# Altium PCB v2.PcbDoc
Units mm, origin at the board's own origin, x right, y up, seen from the top; angles counter-clockwise.
Board outline 166.23 x 128 mm, 2 copper layers (Top Layer, Bottom Layer); 76 components, 173 nets, 304 pads, 78 vias.
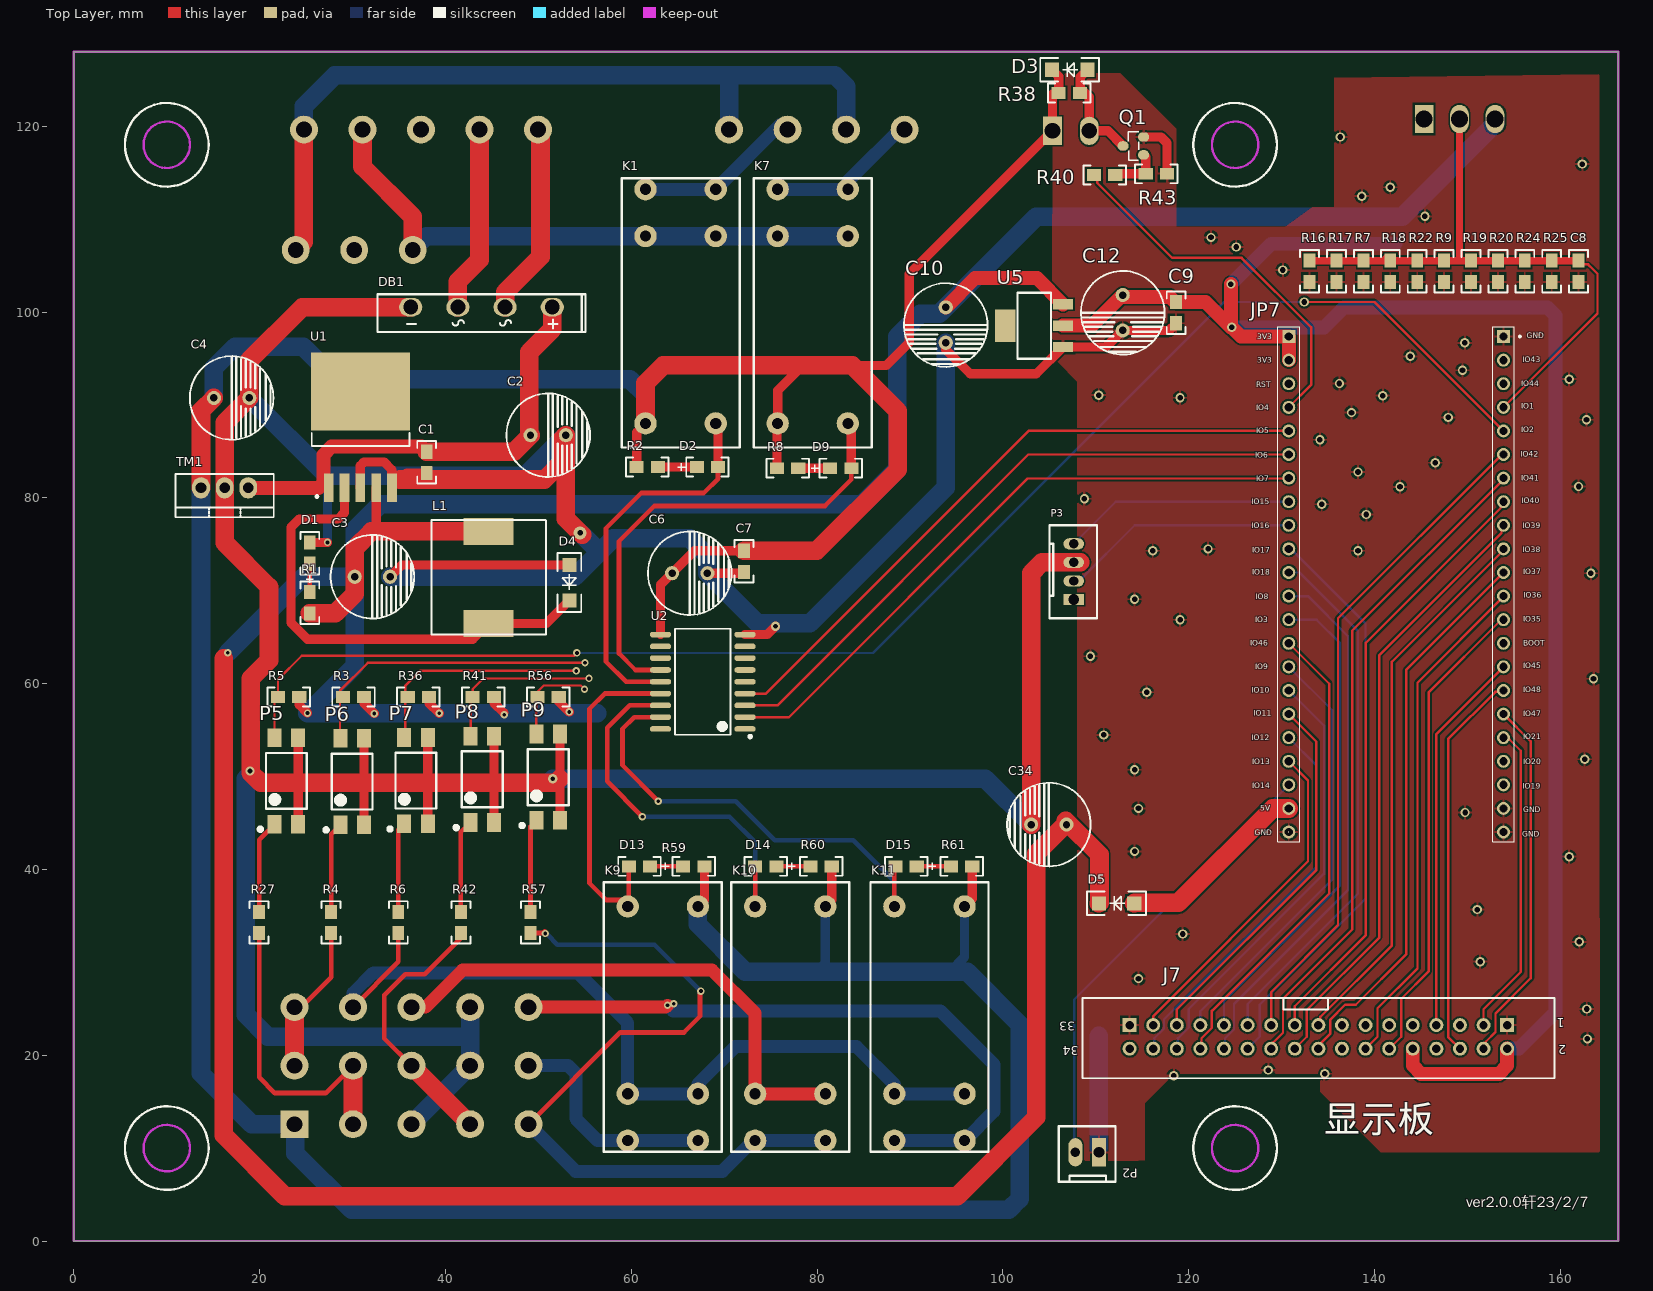
[diagram p0: Top Layer view]
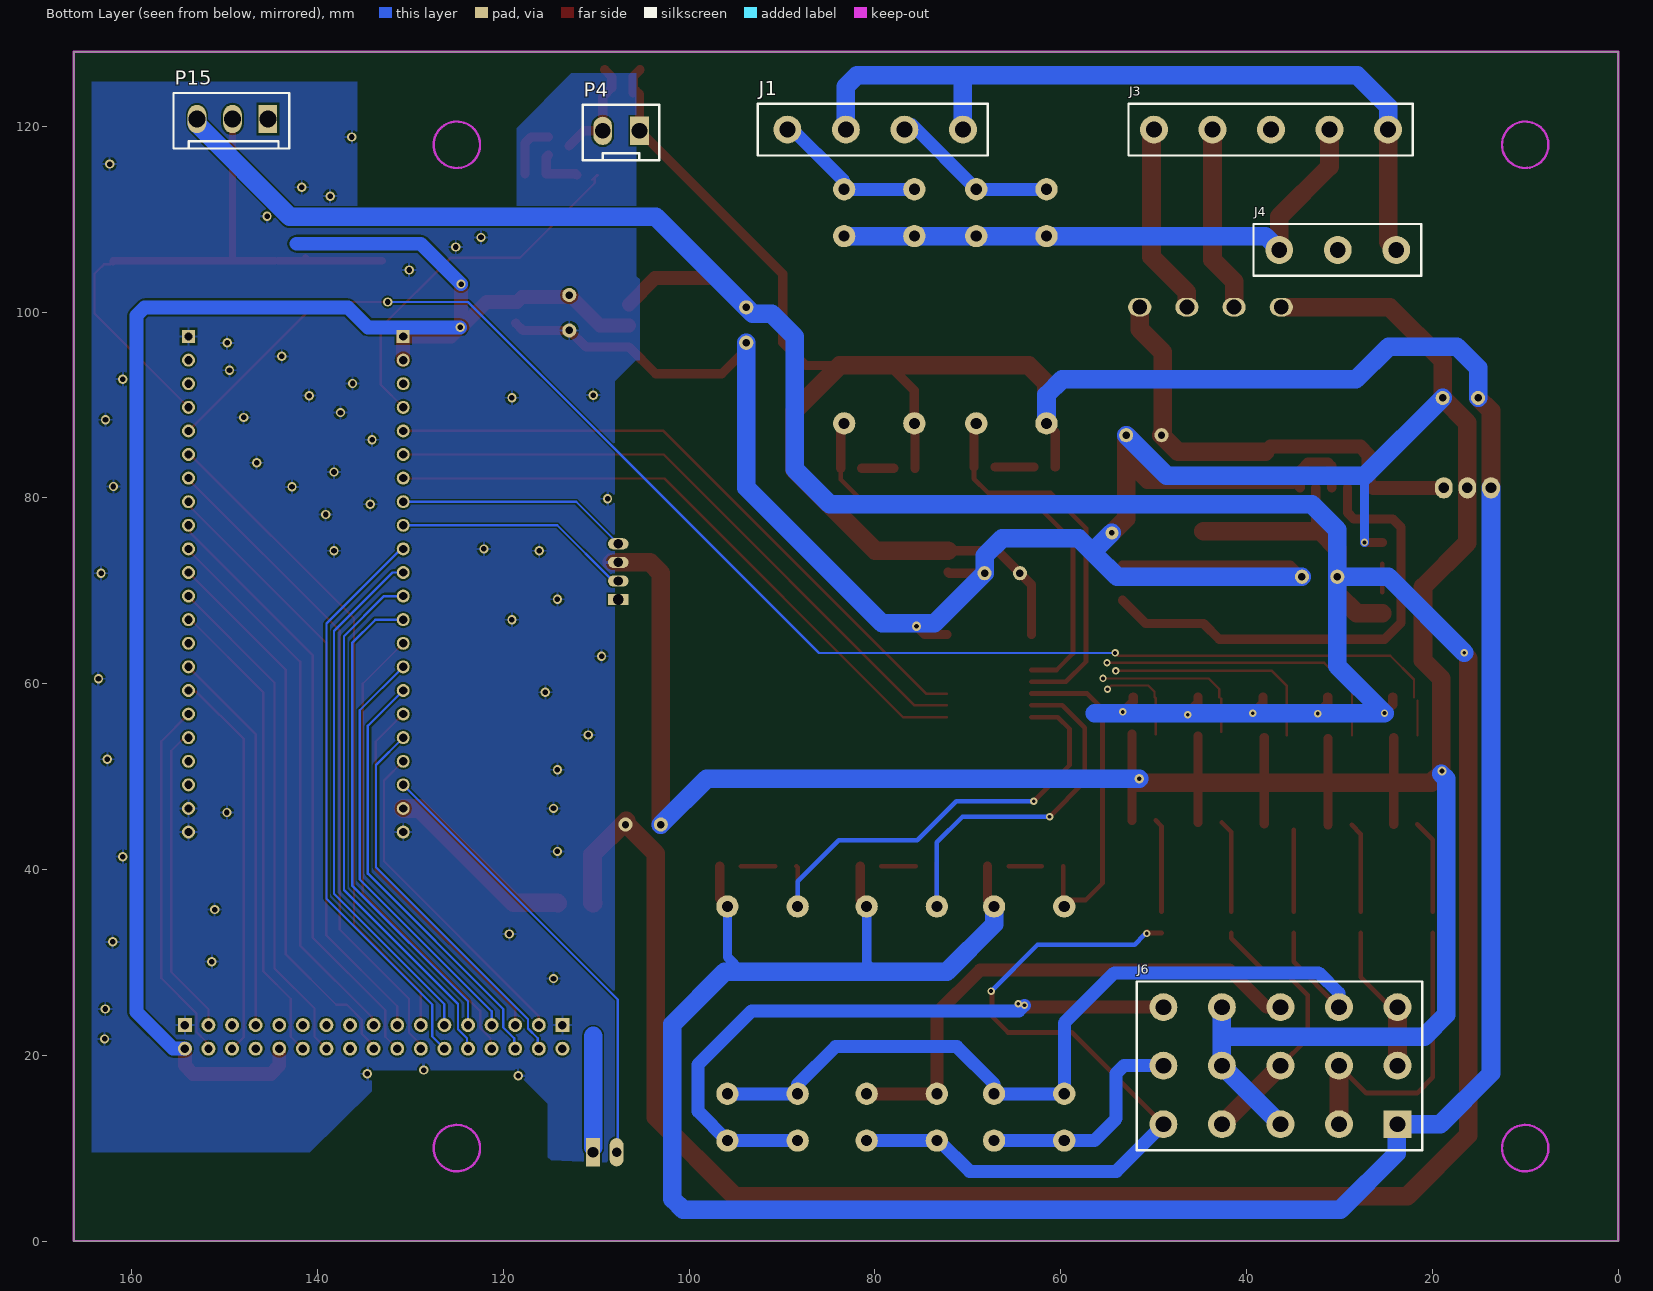
[diagram p1: Bottom Layer view, seen from below]

## Layer stack, top to bottom
Top Solder: solder mask 0.0102, Solder Resist, Dk 3.5
Top Layer: signal copper 0.0356
Dielectric1: dielectric 0.32, FR-4, Dk 4.8
Bottom Layer: signal copper 0.0356
Bottom Solder: solder mask 0.0102, Solder Resist, Dk 3.5

## Board outline
0,0 0,128 166.225,128 166.225,0

## Design rules (kind name [scope] priority, off if disabled: settings)
Clearance [All] p1: gap=0.2 ignorepadtopadclearanceinfootprint=FALSE except(0: Arc-Hole Track-Hole SMDPad-Hole THPad-Hole Via-Hole Fill-Hole Poly-Hole Region-Hole Text-Hole)
ComponentClearance [All] p1 off: gap=0.254 collisioncheckmode=3 verticalgap=0.254 showdistances=FALSE
PlaneConnect [All] p1: planeconnectstyle=Direct reliefexpansion=0.508 reliefentries=4 reliefconductorwidth=0.254 reliefairgap=0.254
PolygonConnect [All] p1: connectstyle=Relief reliefconductorwidth=0.254 reliefentries=4 polygonreliefangle="90 Angle" airgapwidth=0.254
RoutingVias [All] p1: holewidth=0.711 width=1.27 viastyle="Through Hole" minholewidth=0.711 minwidth=1.27 maxholewidth=0.711 maxwidth=1.27
SilkToSolderMaskClearance SilkscreenOverComponentPads [IsPad] p1: minsilkscreentomaskgap=0.254 clearancetoexposedcopper=TRUE
SolderMaskExpansion [All] p1: expansion=0.102 istentingtop=FALSE
Width [All] p1: maxlimit=5 minlimit=0.254 preferedwidth=0.3 minimp=50.000000 maximp=50.000000 favimp=50.000000
27 further rules are at their usual default settings.

## Classes and differential pairs
component class Drive: C1 C2 C3 C4 C6 C7 C8 C9 C10 C12 C34 D1 D2 D3 D4 D9 D13 D14 D15 DB1 J1 J3 J4 J6 K1 K7 K9 K10 K11 L1 P4 P5 P6 P7 P8 P9 P15 Q1 R1 R2 R3 R4 R5 R6 R7 R8 R9 R16 R17 R18 R19 R20 R22 R24 R25 R27 R36 R38 R40 R41 R42 R43 R56 R57 R59 R60 R61 TM1 U1 U2 U5

## Components (designator, comment, footprint, x,y, rotation, side; value= is the part's Value field where it differs from the comment)
C1 "104" 0805 37.973,82.677 r90 top
C2 "470UF/50V" CD9 50.8,86.741 r90 top value=470uF
C3 "220uF/50V" CD9 31.877,71.501 r90 top value=470uF
C4 "470UF/50V" CD9 16.725,90.75 r90 top value=470uF
C6 "220uF/50V" CD9 66.04,71.882 r90 top value=470uF
C7 "104" 0805 72.136,72.009 r90 top
C8 "103" 0805 161.971,103.244 r90 top
C9 "104" 0805 118.65,101.075 r270 top
C10 "470UF/50V" CD9 93.85,98.85 r0 top
C12 "470UF/50V" CD9 112.9,100.175 r0 top
C34 "470UF/50V" CD9 105.199,44.825 r270 top value=470uF
D1 "04" LED-T 25.527,74.041 r90 top
D2 "04" LED-T 68.199,83.185 r0 top
D3 "IN4148" DO-214AC 106.175,126.45 r90 top
D4 "IN5819" DO-214AC 52.959,69.85 r180 top
D5 "IN5819" DO-214AC 111.225,36.725 r90 top (schematic designator D4)
D9 "04" LED-T 82.55,83.058 r0 top
D13 "04" LED-T 60.885,40.455 r180 top
D14 "04" LED-T 74.474,40.455 r180 top
D15 "04" LED-T 89.587,40.455 r180 top
DB1 "DB157S" LC-GBU 43.875,100.525 r0 top
J1 "CON4" 4PIN-6.3 70.525,119.634 r0 bottom
J3 "变压器入" 5PIN-6.3 24.765,119.634 r0 bottom
J4 "220V供电" 3PIN-6.3 23.876,106.68 r0 bottom
J6 "3*15JR" 3*5PIN-6.3 23.749,12.573 r0 bottom
J7 "header34" "PCBComponent_1 - duplicate" 106.63,134.65 r0 top
JP7 "Comment" TE_5-22 111.135,82.44 r0 top locked
K1 "HF115F/024-1HS3" HF115FA 69.088,88.011 r90 top
K7 "HF115F/024-1HS3" HF115FA 83.312,88.011 r90 top
K9 "HF115F/024-1HS3" HF115FA 59.615,36.01 r270 top locked
K10 "HF115F/024-1HS3" HF115FA 73.331,36.01 r270 top
K11 "HF115F/024-1HS3" HF115FA 88.317,36.01 r270 top
L1 "330uH" SMD331 38.481,65.278 r0 top
P2 "Header 2" "2PIN 2.54" 109.075,9.55 r180 top
P3 "Header4" "4PIN 2.0" 102.275,67.05 r90 top
P4 "Header 2" "2PIN 3.96" 109.3,119.5 r0 bottom
P5 "PC817" LC-SMD-4 22.875,49.525 r90 top
P6 "PC817" LC-SMD-4 29.95,49.45 r90 top
P7 "PC817" LC-SMD-4 36.825,49.55 r90 top
P8 "PC817" LC-SMD-4 43.95,49.7 r90 top
P9 "PC817" LC-SMD-4 51.05,49.925 r90 top
P15 "Header 3" "3PIN 3.96" 149.155,120.775 r0 bottom
Q1 "8050" "SOT-23 - duplicate" 113.975,117.825 r90 top
R1 "2K" 0805 25.4,69.85 r270 top
R2 "10k" 0805 62.865,83.312 r180 top value=10K
R3 "10k" 0805 28.956,58.547 r0 top value=10K
R4 "4.7K" 0805 27.686,33.147 r90 top
R5 "10k" 0805 21.971,58.547 r0 top value=10K
R6 "4.7K" 0805 34.925,33.147 r90 top
R7 "47K" 0805 138.806,103.244 r90 top
R8 "10k" 0805 77.978,83.185 r180 top value=10K
R9 "47K" 0805 147.493,103.244 r90 top
R16 "47K" 0805 133.015,103.244 r90 top
R17 "47K" 0805 135.911,103.244 r90 top
R18 "47K" 0805 141.702,103.244 r90 top
R19 "47K" 0805 150.389,103.244 r90 top
R20 "47K" 0805 153.284,103.244 r90 top
R22 "47K" 0805 144.597,103.244 r90 top
R24 "47K" 0805 156.18,103.244 r90 top
R25 "47K" 0805 159.075,103.244 r90 top
R27 "4.7K" 0805 19.939,33.147 r90 top
R36 "10k" 0805 35.941,58.547 r0 top value=10K
R38 "10K" 0805 108.286,123.575 r180 top value="RT0603BRD071KL YAGEO"
R40 "470" 0805 109.814,114.75 r0 top value="RT0603BRD071KL YAGEO"
R41 "10k" 0805 42.926,58.547 r0 top value=10K
R42 "4.7K" 0805 41.656,33.147 r90 top
R43 "10K" 0805 117.661,114.875 r180 top value="RT0603BRD071KL YAGEO"
R56 "10k" 0805 49.911,58.547 r0 top value=10K
R57 "4.7K" 0805 49.149,33.147 r90 top
R59 "10k" 0805 65.584,40.328 r0 top value=10K
R60 "10k" 0805 79.3,40.328 r0 top value=10K
R61 "10k" 0805 94.413,40.328 r0 top value=10K
TM1 "LM7824CT" TO-220 16.225,81.075 r180 top
U1 "LM2575-5" D2PAK 37.211,89.535 r90 top
U2 "ULN2803" SOP-18_300mil 67.691,60.198 r90 top
U5 "AMS1117-3.3_C166063" SOT-223_L6.7-W3.5-P2.30-BR 103.375,98.525 r0 top

## Footprints (in the part's own frame and the unit in brackets; to place one, negate y for a bottom-side part, rotate by r counter-clockwise, add the part's x,y. Pads: shape width x height; smd on the part's side, far side on the other; paste and mask are expansions set on the pad)
"2PIN 2.54" [mm]
  rect 1.5x3.048 hole 1.143: 1(-1.27,0)
  oval 1.5x3.048 hole 1: 2(1.27,0)
  silkscreen extent -3.05,-2.79 3.05,3.18
"2PIN 3.96" [mm]
  rect 2x3.048 hole 1.7: 1(-3.96,0)
  oval 2x3.048 hole 1.7: 2(0,0)
  silkscreen extent -6.1,-2.79 2.16,3.17
3*5PIN-6.3 [mm]
  rect 3x3 hole 1.7: 1(0,0)
  round 3 hole 1.7: 2(6.3,0) 3(12.6,0) 4(18.9,0) 5(25.2,0) 6(0,-6.3) 7(6.3,-6.3) 8(12.6,-6.3) 9(18.9,-6.3) 10(25.2,-6.3) 11(0,-12.6) 12(6.3,-12.6) 13(12.6,-12.6) 14(18.9,-12.6) 15(25.2,-12.6)
  silkscreen extent -2.67,-15.37 28.07,2.79
"3PIN 3.96" [mm]
  rect 2x3.048 hole 1.8: 1(-3.82,0)
  oval 2x3.048 hole 1.8: 2(0,0) 3(3.82,0)
  silkscreen extent -6.1,-2.79 6.35,3.17
3PIN-6.3 [mm]
  round 3 hole 1.7: 1(0,0) 2(6.3,0) 3(12.6,0)
  silkscreen extent -2.67,-2.79 15.37,2.79
"4PIN 2.0" [mm]
  rect 1.2x2.2 hole 1.143: 1(2,-5.35)
  oval 1.2x2.2 hole 1: 2(4,-5.35) 3(6,-5.35) 4(8,-5.35)
  silkscreen extent 0,-7.85 10,-2.75
4PIN-6.3 [mm]
  round 3 hole 1.7: 1(0,0) 2(6.3,0) 3(12.6,0) 4(18.9,0)
  silkscreen extent -2.67,-2.79 22.1,2.79
5PIN-6.3 [mm]
  round 3 hole 1.7: 1(0,0) 2(6.3,0) 3(12.6,0) 4(18.9,0) 5(25.2,0)
  silkscreen extent -2.67,-2.79 27.94,2.79
0805 [mil]
  rect 60x50 smd: 1(0,0) 2(90,0)
  silkscreen extent -45,-40 135,40
CD9 [mil]
  round 60 hole 31.5: 1(0,65) 2(0,-85)
  silkscreen extent -177,-187 177,167, body extent -181,-191 181,171, height 50
D2PAK [mm] "LM-2575"
  rect 3.05x1.05 smd: 1(-8.451,9.779) 2(-8.451,8.077) 3(-8.451,6.375) 4(-8.451,4.673) 5(-8.451,2.971)
  rect 8.4x10.65 smd: ""(1.899,6.35)
  silkscreen extent -9.52,1.1 -2.57,11.6, body extent -8.7,1.47 5.7,11.47, height 4.21
DO-214AC [mil]
  rect 60x60 smd: 1(-15,-115) 2(-15,35)
  silkscreen extent -65,-165 35,85
HF115FA [mm]
  round 2.4 hole 1.2: 1(20.16,7.56) 2(25.2,7.56) 3(20.16,0) 4(25.2,0) 5(0,7.56) 6(0,0)
  silkscreen extent -2.6,-2.57 26.4,10.13
LC-GBU [mm]
  oval 2.5x2 hole 1.6: 1(-2.54,0) 2(2.54,0) 3(7.62,0) 4(-7.62,0)
  silkscreen extent -11.2,-2.67 11.2,1.4
LC-SMD-4 [mm]
  rect 2x1.5 smd: 1(-4.65,1.27) 2(-4.65,-1.27) 3(4.65,-1.27) 4(4.65,1.27)
  silkscreen extent -5.4,-2.2 3,3, body extent -5.02,-2.42 5.01,2.42, height 3.9
LED-T [mil]
  rect 60x50 smd: 1(-45,5) 2(45,5)
  silkscreen extent -125,-35 90,45, body extent -34,-20 44,30, height 28
"PCBComponent_1 - duplicate" [mm]
  round 1.5 hole 0.9: 3V3(37.49,-113.95) 3V3(47.65,-113.95) CS(29.87,-113.95) D0(9.55,-113.95) D1(9.55,-111.41) D2(12.09,-113.95) D3(12.09,-111.41) D4(14.63,-113.95) D5(14.63,-111.41) D6(17.17,-113.95) D7(17.17,-111.41) D8(19.71,-113.95) D9(19.71,-111.41) D10(22.25,-113.95) D11(22.25,-111.41) D12(24.79,-113.95) D13(24.79,-111.41) D14(27.33,-113.95) D15(27.33,-111.41) INT(40.03,-111.41) NC(7.01,-113.95) NC(34.95,-111.41) NC(40.03,-113.95) PS(37.49,-111.41) RD(32.41,-111.41) RS(29.87,-111.41) RST(34.95,-113.95) SCL(45.11,-111.41) SDA(45.11,-113.95) T_IN(42.57,-111.41) WAT(42.57,-113.95) WR(32.41,-113.95)
  rect 1.5x1.5 hole 0.9: GND(7.01,-111.41) GND(47.65,-111.41)
  silkscreen extent 1.93,-117.13 52.73,-108.49
SMD331 [mm]
  rect 5.4x2.9 smd: 1(6.15,1.2) 2(6.15,11.1)
  silkscreen extent 0,0 12.32,12.32
SOP-18_300mil [mm]
  oval 0.6x2.3 smd: 1(-5.08,-4.55) 2(-3.81,-4.55) 3(-2.54,-4.55) 4(-1.27,-4.55) 5(0,-4.55) 6(1.27,-4.55) 7(2.54,-4.55) 8(3.81,-4.55) 9(5.08,-4.55) 10(5.08,4.55) 11(3.81,4.55) 12(2.54,4.55) 13(1.27,4.55) 14(0,4.55) 15(-1.27,4.55) 16(-2.54,4.55) 17(-3.81,4.55) 18(-5.08,4.55)
  silkscreen extent -6.05,-5.25 5.7,3
"SOT-23 - duplicate" [mil]
  oval 40x47.24 smd: B(-35.98,-45.98) C(2.01,40.98) E(40,-45.98)
  silkscreen extent -59,-26 62,18
SOT-223_L6.7-W3.5-P2.30-BR [mm]
  rect 2.2x1.1 smd: 1(3.099,-2.3) 2(3.099,0) 3(3.099,2.3)
  rect 2.2x3.5 smd: 4(-3.099,0)
  silkscreen extent -1.8,-3.55 1.8,3.55
TE_5-22 [mm]
  rect 1.398x1.398 hole 0.89: 1(19.64,14.92) 1(42.75,14.92)
  round 1.398 hole 0.89: 2(19.64,12.38) 2(42.75,12.38) 3(19.64,9.84) 3(42.75,9.84) 4(19.64,7.3) 4(42.75,7.3) 5(19.64,4.76) 5(42.75,4.76) 6(19.64,2.22) 6(42.75,2.22) 7(19.64,-0.32) 7(42.75,-0.32) 8(19.64,-2.86) 8(42.75,-2.86) 9(19.64,-5.4) 9(42.75,-5.4) 10(19.64,-7.94) 10(42.75,-7.94) 11(19.64,-10.48) 11(42.75,-10.48) 12(19.64,-13.02) 12(42.75,-13.02) 13(19.64,-15.56) 13(42.75,-15.56) 14(19.64,-18.1) 14(42.75,-18.1) 15(19.64,-20.64) 15(42.75,-20.64) 16(19.64,-23.18) 16(42.75,-23.18) 17(19.64,-25.72) 17(42.75,-25.72) 18(19.64,-28.26) 18(42.75,-28.26) 19(19.64,-30.8) 19(42.75,-30.8) 20(19.64,-33.34) 20(42.75,-33.34) 21(19.64,-35.88) 21(42.75,-35.88) 22(19.64,-38.42) 22(42.75,-38.42)
  silkscreen extent 18.47,-39.49 44.62,15.99
TO-220 [mil]
  oval 75x90 hole 45: 1(-100,0) 2(0,0) 3(100,0)
  silkscreen extent -208,-58 208,125

## Part data
C1 C7 C8: library part Cap, "Capacitor", LatestRevisionDate=17-Jul-2002, LatestRevisionNote="Re-released for DXP Platform.", PackageReference=RAD-0.3, Published=8-Jun-2000, Publisher="Altium Limited"
C2 C3 C4 C6 C34: library part "Cap Pol1", "Polarized Capacitor (Radial)", LatestRevisionDate=17-Jul-2002, LatestRevisionNote="Re-released for DXP Platform.", PackageReference=RB7.6-15, Published=8-Jun-2000, Publisher="Altium Limited"
C9: library part CAP
C10 C12: library part ECAP
D1 D2 D9 D13 D14 D15: library part LED0, "Typical INFRARED GaAs LED", LatestRevisionDate=08-Jul-2005, LatestRevisionNote="Mech Layer 1 removed.", PackageDescription="LED; 2 Leads", PackageReference=LED-0, Published=8-Jun-2000, Publisher="Altium Limited"
D3 D4 D5: library part "D Zener", "Zener Diode", LatestRevisionDate=17-Jul-2002, LatestRevisionNote="Re-released for DXP Platform.", PackageReference=DIODE-0.7, Published=8-Jun-2000, Publisher="Altium Limited"
DB1: library part BRIDGE2
J1: "Connector"
J3: library part CON5, "Connector"
J4: library part CON3, "Connector"
J6: library part Component_1
J7: "Header, 34-Pin2.54MM"
K1 K7 K9 K10 K11: library part RELAY-DPST
L1: library part Inductor, "Inductor", Code_IEC=1005, Code_JEITA=0402, LatestRevisionDate=29-May-2009, LatestRevisionNote="IPC-7351 Footprint Added.", PackageDescription="Chip Inductor", PackageReference=0402-A, Published=8-Jun-2000, Publisher="Altium Limited"
P2 P4: "Header, 2-Pin", LatestRevisionDate=17-Jul-2002, LatestRevisionNote="Re-released for DXP Platform.", Publisher="Altium Limited"
P3: "Header, 4-Pin2MM"
P5 P6 P7 P8 P9: library part P521
P15: "Header, 3-Pin", LatestRevisionDate=17-Jul-2002, LatestRevisionNote="Re-released for DXP Platform.", Publisher="Altium Limited"
Q1: library part BC817-8050
R1 R2 R3 R4 R5 R6 R7 R8 R9 R16 R17 R18 R19 R20 R22 R24 R25 R27 R36 R38 R40 R41 R42 R43 R56 R57 R59 R60 R61: library part Res2, "Resistor", LatestRevisionDate=17-Jul-2002, LatestRevisionNote="Re-released for DXP Platform.", PackageReference=AXIAL-0.4, Published=8-Jun-2000, Publisher="Altium Limited"
U1: library part LM2575
U5: library part AMS1117-1.5_C166063, BOM_LCSC Assembly=Yes, BOM_Manufacturer=SK, BOM_Manufacturer Part=AMS1117-1.5, BOM_Supplier=LCSC, BOM_Supplier Part=C166063, Contributor=LCSC, SMT Type=Extend, spicePre=U

## Via types
v1: diameter 1, hole 0.6, Top Layer to Bottom Layer, 56 vias
v2: diameter 0.8, hole 0.4, Top Layer to Bottom Layer, tented both sides, 18 vias
v3: diameter 1, hole 0.5, Top Layer to Bottom Layer, tented both sides, 3 vias
v4: diameter 1.4, hole 0.6, Top Layer to Bottom Layer, tented both sides, 1 vias

## Nets (pads, with @x,y where several pads share a name; then routed paths per layer and width w, separated by ;. In a path a pad name is that pad's centre, name@x,y a point inside that pad or via, vN(x,y) a via of type N, cw(c..) or ccw(c..) an arc to the next point about the centre after c; other vN are vias at no path point)
485-EN: 
485-RXD: 
485-TXD: 
+3.3V: C9.1 C12.1 J7.3V3 JP7.1@130.775,97.36 JP7.2@130.775,94.82 U5.2 | length 186.8
  Top Layer w1.5: U5.2 109.599,98.525 C12.1 112.906,101.826 113.107,101.625 117.997,101.625 118.547,101.075 121.825,101.075 124.55,98.35 v1(124.65,98.35) ; v1(124.55,103.01) 124.55,98.45 v1(124.65,98.35) ; JP7.2@130.775,94.82 130.775,97.36 125.64,97.36 v1(124.65,98.35) ; J7.3V3@144.12,20.7 144.12,18.879 144.999,18 153.401,18 154.28,18.879 J7.3V3@154.28,20.7
  Bottom Layer w1.5: v1(124.55,103.01) 128.89,107.35 142.275,107.35 ; v1(124.65,98.35) 134.576,98.35 136.726,100.5 158.621,100.5 159.5,99.621 159.5,24.625 155.575,20.7 J7.3V3@154.28,20.7
AC24L: DB1.1 J3.4 | length 20.1
  Top Layer w2: DB1.1 41.335,103.285 43.665,105.615 J3.4
AC24N: DB1.2 J3.5 | length 20.8
  Top Layer w2: DB1.2 46.415,102.14 50.225,105.95 50.225,119.374 J3.5
AC230_L: J1.1 J1.3 J3.1 J4.1 | length 85.6
  Top Layer w2: J4.1 24.765,107.569 J3.1
  Bottom Layer w2: J3.1 24.765,122.14 28.1,125.475 70.275,125.475 ; J1.1@70.525,120.175 70.525,125.225 70.275,125.475 ; J1.3@83.125,120.175 83.125,124.275 81.925,125.475 70.275,125.475
AC230_N: J3.2 J4.3 K1.1 K1.3 K7.1 K7.3 | length 62.6
  Top Layer w2: J3.2 31.065,115.66 36.476,110.249 J4.3
  Bottom Layer w2: J4.3 37.967,108.171 K1.1 K1.3 K7.1 K7.3
ACOUTA: J1.2 K1.2 K1.4 | length 18.2
  Bottom Layer w1.4: K1.2 K1.4 76.052,120.175 J1.2@76.825,120.175
ACOUTB: J1.4 K7.2 K7.4 | length 17.1
  Bottom Layer w1.4: K7.2 K7.4 83.312,114.062 J1.4@89.425,120.175
ADC_NTC: 
ADC_ON: JP7.20@130.775,49.1 P2.2 | length 49.2
  Bottom Layer w0.254: P2.2 107.675,9.68 107.675,26 JP7.20@130.775,49.1
AREF: 
ASW_1: D2.2 K1.6 U2.14 | length 41.5
  Top Layer w0.5: U2.14 59.436,60.198 57.277,62.357 57.277,76.708 61.087,80.518 67.818,80.518 69.342,82.042 D2.2
  Top Layer w1: K1.6 69.342,87.757 D2.2
ASW_2: D9.2 K7.6 U2.13 | length 51.2
  Top Layer w0.5: U2.13 60.452,61.468 58.674,63.246 58.674,75.311 62.484,79.121 80.846,79.121 83.693,81.968 D9.2
  Top Layer w1: K7.6 83.693,87.63 D9.2
AVCC: D5.1 JP7.21@130.775,46.56 | length 20.9
  Top Layer w2: D5.1 114.202,36.4 118.875,36.4 129.035,46.56 JP7.21@130.775,46.56
BZ1: JP7.4@130.775,89.74 R40.1 | length 40.9
  Top Layer w0.254: R40.1@110.449,114.242 109.941,114.75 R40.1 110.167,114.397 110.167,113.883 118.225,105.825 125.7,105.825 133.175,98.35 133.175,92.14 JP7.4@130.775,89.74
D0: J7.D0 JP7.18@130.775,54.18 | length 41.9
  Bottom Layer w0.254: J7.D0 116.294,20.814 116.294,21.831 117.35,22.887 117.35,23.875 133.7,40.225 133.7,51.255 JP7.18@130.775,54.18
D1: J7.D1 JP7.19@130.775,51.64 | length 36.2
  Top Layer w0.254: J7.D1 116.197,23.257 116.197,24.222 132.85,40.875 132.85,49.565 JP7.19@130.775,51.64
D2: J7.D2 JP7.16@130.775,59.26 | length 46.7
  Bottom Layer w0.254: J7.D2 118.834,20.814 118.834,21.831 120,22.997 120,24.975 134.575,39.55 134.575,55.46 JP7.16@130.775,59.26
D3: J7.D3 JP7.17@130.775,56.72 | length 40.9
  Top Layer w0.254: J7.D3 118.72,24.92 133.75,39.95 133.75,53.745 JP7.17@130.775,56.72
D4: J7.D4 JP7.14@130.775,64.34 | length 51.2
  Top Layer w0.254: J7.D4 121.374,20.814 121.374,21.831 122.5,22.957 122.5,24.775 135.125,37.4 135.125,59.99 JP7.14@130.775,64.34
D5: J7.D5 JP7.15@130.775,61.8 | length 46.4
  Bottom Layer w0.254: J7.D5 121.26,24.735 135.45,38.925 135.45,57.125 JP7.15@130.775,61.8
D6: J7.D6 JP7.12@130.775,69.42 | length 58.1
  Bottom Layer w0.254: J7.D6 123.914,20.814 123.914,21.831 124.877,22.794 124.877,25.527 137.15,37.8 137.15,65.1 132.83,69.42 JP7.12@130.775,69.42
D7: J7.D7 JP7.13@130.775,66.88 | length 52.8
  Bottom Layer w0.254: J7.D7 123.8,25.8 136.275,38.275 136.275,64.375 133.77,66.88 JP7.13@130.775,66.88
D8: J7.D8 JP7.10@130.775,74.5 | length 62.6
  Bottom Layer w0.254: J7.D8 127.65,22.01 127.65,25.45 139.04,36.84 139.04,66.46 131,74.5 JP7.10@130.775,74.5
D9: J7.D9 JP7.11@130.775,71.96 | length 57.4
  Bottom Layer w0.254: J7.D9 126.34,25.49 138.225,37.375 138.225,65.65 131.915,71.96 JP7.11@130.775,71.96
D10: J7.D10 JP7.7@153.885,82.12 | length 71.8
  Top Layer w0.254: J7.D10 129.118,20.938 129.118,21.393 130.15,22.425 130.15,26.075 137.6,33.525 137.6,65.7 153.885,81.985 JP7.7@153.885,82.12
D11: J7.D11 JP7.6@153.885,84.66 | length 71.9
  Top Layer w0.254: J7.D11 128.88,26.805 136.075,34 136.075,67.025 153.71,84.66 JP7.6@153.885,84.66
D12: J7.D12 JP7.9@153.885,77.04 | length 65.6
  Top Layer w0.254: J7.D12 132.7,21.98 132.7,24.85 140.525,32.675 140.525,63.075 153.678,76.228 153.678,76.833 JP7.9@153.885,77.04
D13: J7.D13 JP7.8@153.885,79.58 | length 65.6
  Top Layer w0.254: J7.D13 131.42,25.27 139.075,32.925 139.075,64.4 153.56,78.885 153.56,78.946 153.885,79.27 JP7.8@153.885,79.58
D14: J7.D14 JP7.11@153.885,71.96 | length 60.2
  Top Layer w0.254: J7.D14 133.96,21.035 135.25,22.325 135.25,23.85 136.83,25.43 137.985,25.43 143.4,30.845 143.4,61.475 JP7.11@153.885,71.96
D15: J7.D15 JP7.10@153.885,74.5 | length 59.5
  Top Layer w0.254: J7.D15 134.171,23.451 134.171,24.121 141.875,31.825 141.875,62.343 153.885,74.353 JP7.10@153.885,74.5
DATA_INA: 
DATA_INB: 
DATA_OUT: 
DC24V: C4.1 C6.1 C7.2 D3.2 J6.1 K1.5 K7.5 K9.5 K10.5 K11.5 P4.1 R2.2 R8.2 R38.2 R59.2 R60.2 R61.2 TM1.3 U2.10 | length 452
  Top Layer w1: R2.2 60.579,87.062 K1.5 ; U2.10 63.141,70.634 C6.1 66.802,74.295 C7.2 ; K9.5 67.87,36.705 R59.2 ; R8.2 75.692,87.951 K7.5 75.752,91.552 78.45,94.25 ; K10.5 81.586,36.705 R60.2 ; 83.775,94.25 87.45,94.25 89.925,96.725 89.925,104.085 P4.1 105.34,123.426 R38.2@105.745,123.83 ; K11.5 96.699,36.832 R61.2 ; D3.2 106,125.355 R38.2
  Top Layer w2: TM1.3 13.685,89.361 C4.1 ; K1.5 61.528,92.328 63.45,94.25 78.45,94.25 83.775,94.25 88.7,89.325 88.7,83.05 79.945,74.295 C7.2
  Bottom Layer w1: 79.925,28.975 80.891,29.941 K10.5 ; 94.275,28.975 95.877,30.577 K11.5
  Bottom Layer w2: TM1.3 13.685,18.04 19.152,12.573 J6.1 23.85,12.472 23.85,9.425 29.925,3.35 100.628,3.35 101.8,4.522 101.8,23.325 96.15,28.975 94.275,28.975 80.891,28.975 79.925,28.975 72.275,28.975 67.175,34.075 K9.5 ; C4.1 15.074,93.999 17.35,96.275 24.7,96.275 28.225,92.75 59.85,92.75 61.528,91.072 K1.5
E+3.3V: 
EGND: 
EP_CLK: 
EP_DIO: 
EP_STB: 
GND: C1.1 C2.2 C3.2 C4.2 C6.2 C7.1 C8.1 C9.2 C10.2 C12.2 C34.2 D1.2 D4.1 DB1.4 J6.3 J6.9 J6.14 J7.GND JP7.1@153.885,97.36 JP7.21@153.885,46.56 JP7.22 P2.1 P3.3 P5.2 P5.3 P6.2 P6.3 P7.2 P7.3 P8.2 P8.3 P9.2 P9.3 Q1.E R7.1 R9.1 R16.1 R17.1 R18.1 R19.1 R20.1 R22.1 R24.1 R25.1 R43.1 TM1.2 U1.3 U1.5 U2.9 U5.1 | length 560.6
  Top Layer w1: P5.2 24.145,49.325 P5.3 ; D1.2 27.284,75.184 v2(27.3,75.2) ; U1.3 30.836,83.461 31.225,83.85 33.4,83.85 34.225,83.025 34.225,81.099 U1.5 35.128,81.972 35.833,82.677 C1.1 ; P6.2 31.22,49.325 P6.3 ; C3.2 35.306,72.771 D4.1 ; P7.2 38.095,49.325 P7.3 ; P8.2 45.22,49.325 P8.3 ; P9.2 52.32,49.775 P9.3 ; C6.2 72.009,71.882 C7.1 ; U2.9 74.628,65.278 v3(75.525,66.175) ; C10.2 93.85,95.975 96.475,93.35 103.599,93.35 U5.1 111.109,96.225 C12.2 117.877,98.016 C9.2 ; Q1.E 117.009,118.841 117.661,118.189 R43.1
  Top Layer w2: 35.128,81.972 50.647,81.972 52.5,83.825 52.5,86.282 C2.2 52.959,77.766 v4@54.7,76.025 ; DB1.4 24.6,100.525 18.884,94.809 C4.2 16.225,88.091 TM1.2 16.225,75.175 21,70.4 21,62.5 19.05,60.55 19.05,50.375 20.1,49.325 24.145,49.325 31.22,49.325 38.095,49.325 45.22,49.325 51.87,49.325 52.32,49.775 ; C34.2 103.04,71.878 104.212,73.05 P3.3@108.325,73.05
  Bottom Layer w1: 27.259,82.375 27.3,82.334 v2(27.3,75.2)
  Bottom Layer w2: C4.2 27.259,82.375 48.593,82.375 C2.2 ; v3@19.025,50.275 18.5,49.75 18.5,24.375 20.875,22 42.649,22 ; C3.2 53.926,71.501 56.325,73.9 ; J6.3 J6.9 42.649,22 ; J6.14 42.649,22 ; v3(51.55,49.75) 98.115,49.75 C34.2 ; v4(54.5,76.225) 56.325,74.4 56.325,73.9 ; C10.2 93.85,81.1 79.225,66.475 73.606,66.475 C6.2 68.199,73.751 66.3,75.65 58.075,75.65 56.325,73.9 ; P2.1@110.326,10.074 110.326,22.068
  other v1: 118.387,17.8 134.638,18 128.575,18.4 162.925,21.75 162.85,24.975 114.598,28.25 151.375,30.075 162.05,32.2 119.35,33.05 151.075,35.675 160.95,41.375 114.175,41.933 149.75,46.125 114.598,46.56 114.175,50.733 162.625,51.85 110.85,54.475 115.475,59.075 163.575,60.525 109.425,62.95 119.075,66.88 114.175,69.087 163.3,71.875 116.125,74.3 138.225,74.3 122.089,74.5 139.125,78.2 134.325,79.3 108.775,79.9 142.75,81.175 161.971,81.213 138.225,82.775 146.55,83.775 134.125,86.25 162.825,88.4 147.95,88.65 137.525,89.172 119.075,90.775 140.9,91 110.325,91.05 136.225,92.3 160.95,92.775 149.475,93.725 143.851,95.225 149.725,96.675 130.134,104.525 125.125,107 122.4,108.025 145.427,110.298 138.638,112.475 141.7,113.425 162.375,115.925 136.315,118.835
  other v3: 18.95,50.6
IN1A: 
IN1B: 
IN2A: 
IN2B: 
INT: J7.INT JP7.15@153.885,61.8 | length 41.6
  Top Layer w0.254: J7.INT 146.66,54.575 JP7.15@153.885,61.8
L_TER: C8.2 JP7.4@153.885,89.74 P15.2 R7.2 R9.2 R16.2 R17.2 R18.2 R19.2 R20.2 R22.2 R24.2 R25.2 | length 66.2
  Top Layer w0.254: JP7.4@153.575,89.74 153.885,89.74 164,99.855 164,104.125 163.519,104.606 163,105.125 162.249,105.125 C8.2@161.971,105.403 ; 154.4,105.68 154.55,105.53
  Top Layer w0.8: R16.2 R17.2 R7.2 140.991,105.53 ; R18.2@141.294,105.834 140.991,105.53 ; R22.2@144.235,105.53 R18.2 141.294,105.53 140.991,105.53 ; R22.2 R9.2 148.941,105.53 ; P15.2@149.15,120.883 149.15,105.739 148.941,105.53 ; C8.2@161.971,105.403 C8.2 R25.2 R24.2 154.55,105.53 R20.2 R19.2 148.941,105.53
LIN_B1: JP7.5@153.885,87.2 P5.4 R5.1 | length 160.1
  Top Layer w0.254: P5.4@21.59,54.434 R5.1@21.59,58.166 ; R5.1 21.971,60.427 24.536,62.992 53.842,62.992 v2(54.15,63.3) ; v1(132.451,101.075) 140.01,101.075 JP7.5@153.885,87.2
  Bottom Layer w0.254: v2(54.15,63.3) 86.025,63.3 123.8,101.075 v1(132.451,101.075)
LIN_B2: P6.4 R3.1 | length 32.4
  Top Layer w0.254: P6.4@28.639,54.434 28.639,59.245 31.623,62.23 v2(55.016,62.23)
LIN_B3: P7.4 R36.1 | length 24.4
  Top Layer w0.254: P7.4@35.687,54.434 35.687,59.792 37.262,61.366 v2(54.073,61.366)
LIN_B4: P8.4 R41.1 | length 17.4
  Top Layer w0.254: P8.4@42.735,54.815 R41.1@42.735,58.356 ; R41.1 42.926,59.411 44.069,60.554 v2(55.448,60.554)
LIN_B5: P9.4 R56.1 | length 10.1
  Top Layer w0.254: P9.4@49.784,54.561 49.784,58.42 R56.1 49.911,59.131 50.571,59.792 54.559,59.792 v2(54.966,59.385)
LROUT5: 
LROUT6: 
LROUT7: 
LROUT8: 
LSW_A1: D13.2 K9.6 U2.15 | length 37.2
  Top Layer w0.5: D13.2 K9.6@59.742,36.703 ; U2.15 57.15,58.928 55.499,57.277 55.499,38.526 57.322,36.703 K9.6@59.742,36.703 ; K9.6@59.742,36.703 59.817,36.703 K9.6 59.742,36.137 K9.6@59.742,36.703
LSW_A2: D14.2 K10.6 U2.16 | length 42.8
  Top Layer w0.5: v2(61.2,45.675) 57.404,49.471 57.404,55.245 59.817,57.658 U2.16 ; K10.6 D14.2 D14.2@73.331,40.709
  Bottom Layer w0.5: v2(61.2,45.675) 70.575,45.675 73.331,42.919 K10.6
LSW_A3: D15.2 K11.6 U2.17 | length 50
  Top Layer w0.5: v2(62.9,47.35) 59.055,51.195 59.055,55.118 60.325,56.388 U2.17 ; K11.6 88.317,40.201 D15.2
  Bottom Layer w0.5: v2(62.9,47.35) 71.225,47.35 75.45,43.125 83.9,43.125 88.317,38.708 K11.6
MD1_A: 
MD1_B: 
MD2_A: 
MD2_B: 
MD_DC12V: 
NetBT1_1: 
NetC1_2: C1.2 C2.1 DB1.3 TM1.1 U1.1 | length 50.2
  Top Layer w1: C2.1 C2.1@49.403,86.995
  Top Layer w1.5: TM1.1 26.325,81.075 26.85,81.6 26.85,84.625 27.725,85.5 37.436,85.5 C1.2
  Top Layer w2: C1.2 47.371,84.963 C2.1 49.025,86.865 49.025,95.675 51.495,98.145 DB1.3
NetC16_1: 
NetC17_1: 
NetD1_1: D1.1 R1.1 | length 3
  Top Layer w0.5: R1.1 D1.1
NetD2_1: D2.1 R2.1 | length 4.2
  Top Layer w1: R2.1 D2.1
NetD3_1: D3.1 P4.2 Q1.C R38.1 | length 11.6
  Top Layer w1: D3.1 108.325,125.298 108.325,124.125 109.3,123.15 P4.2 111.31,119.5 Q1.C
NetD4_2: D4.2 L1.1 U1.2 | length 51.8
  Top Layer w1: U1.2 29.134,78.41 28.448,77.724 24.257,77.724 23.368,76.835 23.368,66.548 25.146,64.77 42.923,64.77 L1.1 50.857,66.478 D4.2
NetD9_1: D9.1 R8.1 | length 3.4
  Top Layer w1: R8.1 D9.1
NetD11_1: 
NetD11_2: 
NetD12_1: 
NetD12_2: 
NetD13_1: D13.1 R59.1 | length 3.6
  Top Layer w0.5: D13.1 R59.1
NetD14_1: D14.1 R60.1 | length 3.7
  Top Layer w0.5: D14.1 R60.1
NetD15_1: D15.1 R61.1 | length 3.7
  Top Layer w0.5: D15.1 R61.1
NetD16_1: 
NetD17_1: 
NetD18_1: 
NetIC1_6: 
NetIC1_7: 
NetJ6_2: J6.2 J6.7 R27.1 | length 33.9
  Top Layer w0.5: R27.1 19.939,17.611 21.625,15.925 27.101,15.925 J6.7
  Top Layer w2: J6.2 J6.7
NetJ6_4: J6.4 J6.8 R42.1 | length 29
  Top Layer w0.5: J6.8 33.425,21.797 33.425,26.475 35.675,28.725 37.775,28.725 41.656,32.606 R42.1
  Top Layer w2: J6.8 J6.4
NetJ6_5: J6.5 K10.2 K10.4 R57.1 | length 82.4
  Top Layer w0.5: J6.5 58.826,22.45 65.675,22.45 67.4,24.175 67.4,26.8 v2(67.5,26.9) ; R57.1 50.522,33.147 v2@50.7,33.325
  Bottom Layer w0.5: v2@50.781,33.15 50.981,32.95 50.989,32.95 52.039,31.9 62.5,31.9 v2(67.5,26.9)
  Bottom Layer w1.4: J6.5 54.022,7.5 69.8,7.5 73.11,10.81 K10.4 K10.2
  other v2: 50.75,33.1
NetJ6_6: J6.6 J6.11 R4.1 | length 16.3
  Top Layer w0.5: J6.11 24.473,25.173 27.686,28.386 R4.1
  Top Layer w2: J6.6 J6.11
NetJ6_10: J6.10 K9.2 K9.4 | length 24.4
  Bottom Layer w1.4: J6.10 53.205,18.873 54.025,18.053 54.025,13.175 56.39,10.81 K9.2
NetJ6_12: J6.12 K9.1 K9.3 K11.1 K11.3 R6.1 | length 93.5
  Top Layer w0.5: J6.12 34.925,30.049 R6.1
  Bottom Layer w1.4: J6.12 30.049,26.699 32.225,28.875 54.225,28.875 59.615,23.485 K9.3 K9.1 67.175,16.925 71.175,20.925 84.25,20.925 88.317,16.858 K11.3 K11.1
NetJ6_13: J6.13 K10.1 K10.3 | length 56.8
  Top Layer w1.4: J6.13 37.848,25.173 41.85,29.175 68.675,29.175 73.331,24.519 K10.3 K10.1
NetJ6_15: J6.15 K11.2 K11.4 | length 69.9
  Top Layer w1.4: J6.15 63.698,25.173 v2(63.9,25.375)
  Bottom Layer w1.4: v2(63.9,25.375) 64.5,24.775 93.275,24.775 99.025,19.025 99.025,13.958 K11.2 K11.4
  other v2: 64.575,25.55
NetJ7_2: 
NetJ7_4: 
NetJ7_5: 
NetJ7_6: 
NetJ7_10: 
NetJ7_12: 
NetJ7_13: 
NetJ7_15: 
NetJP1_7: 
NetJP4_2: 
NetJP4_3: 
NetM1_1: 
NetM1_3: 
NetM1_11: 
NetM1_12: 
NetM1_15: 
NetM1_16: 
NetP2_1: 
NetP3_1: 
NetP5_1: P5.1 R27.2 | length 10.1
  Top Layer w0.5: R27.2 19.939,43.209 P5.1
NetP6_1: P6.1 R4.2 | length 9.8
  Top Layer w0.5: R4.2 27.686,43.806 P6.1
NetP7_1: P7.1 R6.2 | length 8.8
  Top Layer w0.5: R6.2 P7.1@34.925,44.27
NetP8_1: P8.1 R42.2 | length 10
  Top Layer w0.5: R42.2 41.656,44.026 P8.1
NetP9_1: P9.1 R57.2 | length 10.1
  Top Layer w0.5: R57.2 49.149,44.644 P9.1
NetP10_1: 
NetP11_1: 
NetP12_1: 
NetP13_1: 
NetP14_1: 
NetP17_1: 
NetP17_3: 
NetP19_1: 
NetP19_2: 
NetQ1_B: Q1.B R40.2 R43.2 | length 5.5
  Top Layer w1: R40.2 112.225,114.875 R43.2 115.375,116.679 Q1.B
NetU20_2: 
NetU20_3: 
R_CLK: 
R_DIO: 
R_STB: 
R_TER: 
RELAY9: JP7.5@130.775,87.2 U2.4 | length 70.2
  Top Layer w0.254: U2.4 72.244,58.925 74.493,58.925 102.768,87.2 JP7.5@130.775,87.2
RELAY10: JP7.6@130.775,84.66 U2.3 | length 69.7
  Top Layer w0.254: U2.3 75.733,57.658 102.735,84.66 JP7.6@130.775,84.66
RELAY11: JP7.7@130.775,82.12 U2.2 | length 69.2
  Top Layer w0.254: U2.2 76.963,56.388 102.65,82.075 130.73,82.075 JP7.7@130.775,82.12
RESET: 
RIN_B1: 
RIN_B2: 
RIN_B3: 
RIN_B4: 
RIN_B5: 
ROTARY_A: JP7.8@130.775,79.58 P3.4 | length 25
  Bottom Layer w0.254: P3.4 112.155,79.58 JP7.8@130.775,79.58
ROTARY_B: JP7.9@130.775,77.04 P3.2 | length 25.6
  Bottom Layer w0.254: P3.2 108.2,71.05 114.19,77.04 JP7.9@130.775,77.04
RST: J7.RST JP7.13@153.885,66.88 | length 51.4
  Top Layer w0.254: J7.RST 142.875,21.995 142.875,26.075 145.825,29.025 145.825,59.05 153.655,66.88 JP7.13@153.885,66.88
RSW_A1: 
RSW_A2: 
RSW_A3: 
SCL: J7.SCL JP7.18@153.885,54.18 | length 33.6
  Top Layer w0.254: J7.SCL 151.74,24.94 155.75,28.95 155.75,52.78 154.569,53.961 154.104,53.961 JP7.18@153.885,54.18
SDA: J7.SDA JP7.17@153.885,56.72 | length 39.3
  Top Layer w0.254: J7.SDA 151.978,20.938 151.978,21.453 153.025,22.5 153.025,24.5 156.825,28.3 156.825,53.78 JP7.17@153.885,56.72
SPI_MISO: 
SPI_MOSI: 
SPI_SCK: 
VCC: C3.1 C10.1 C34.1 D5.2 L1.2 P15.3 R1.2 R3.2 R5.2 R36.2 R41.2 R56.2 U1.4 U5.3 | length 465.1
  Top Layer w1: R5.2 24.257,57.718 v2(25.15,56.825) ; R3.2 31.242,57.858 v2(32.325,56.775) ; 32.028,76.378 32.538,76.888 U1.4 ; R36.2 38.227,57.898 v2(39.325,56.8) ; R41.2 45.212,57.913 v2@46.275,56.85 ; R56.2 52.197,58.078 v2(53.325,56.95)
  Top Layer w1.5: C10.1 96.999,103.65 103.649,103.65 U5.3
  Top Layer w2: 16.125,62.7 16.125,11.4 22.7,4.825 95.1,4.825 103.575,13.3 103.575,41.685 106.715,44.825 C34.1 ; R1.2 28.139,67.564 30.226,69.651 C3.1 30.226,74.576 32.028,76.378 L1.2 ; C34.1@106.75,44.825 106.75,45.25 110.4,41.6 110.4,36.408 D5.2
  Bottom Layer w2: v2(16.55,63.325) 24.726,71.501 C3.1 ; 56.35,56.825 53.325,56.825 46.325,56.825 39.325,56.825 32.325,56.825 v2(25.15,56.825) 30.226,61.901 C3.1 ; P15.3 152.975,120.251 142.974,110.25 103.599,110.25 C10.1 93.149,99.8 91.1,99.8 88.625,97.325 88.625,83.075 84.85,79.3 32.975,79.3 30.226,76.551 C3.1
  other v2: 46.325,56.65
W_DC24V: 
W_GND: 
WAIT: J7.WAT JP7.16@153.885,59.26 | length 42
  Top Layer w0.254: J7.WAT 147.925,21.975 147.925,54.025 153.013,59.113 153.738,59.113 JP7.16@153.885,59.26
WR: J7.WR JP7.12@153.885,69.42 | length 54.9
  Top Layer w0.254: J7.WR 140.325,21.985 140.325,25.05 144.625,29.35 144.625,60.1 153.885,69.36 JP7.12@153.885,69.42
X_ASTB: 
X_BSTB: 
X_CLK: 
X_CSTB: 
X_DIO: 
X_DSTB: 
X_ESTB: 
X_FSTB: 
X_GSTB: 
X_SW_1: 
X_SW_2: 
X_SW_3: 
X_SW_4: 
pads on no net: J3.3 J4.2 J7.CS J7.NC J7.PS J7.RD J7.RS J7.T_IN JP7.2@153.885,94.82 JP7.3 JP7.14@153.885,64.34 JP7.19@153.885,51.64 JP7.20@153.885,49.1 P3.1 P15.1 U1. U2.1 U2.5 U2.6 U2.7 U2.8 U2.11 U2.12 U2.18 U5.4

## Polygon pours and split planes (outlines as drawn)
GND on Top Layer "NONET_L-01_P-001" (solid, pour order 0): 135.675,125.236 135.675,111.275 133.28,111.275 130.4,109.15 129.725,109.15 118.65,109.15 118.65,119.7 112.65,125.7 105.4,125.7 105.3,95.3 108.025,92.481 108.025,92.35 108.025,8.65 114.571,8.65 115.262,8.693 115.262,14.813 118.45,18 119.575,18 134.171,18 134.171,16.079 140.7,9.55 164.225,9.55 164.189,124.836 164.189,125.575
GND on Bottom Layer "NONET_L-01_P-001" (solid, pour order 1): 118.575,119.8 112.675,125.7 105.675,125.7 105.675,103.875 105.34,103.54 105.34,94.82 105.73,94.82 108.025,92.525 108.025,8.5 108.425,8.5 111.325,8.5 114.85,8.675 115.2,9.025 115.2,14.766 118.834,18.4 134.175,18.4 134.175,16.1 140.85,9.575 141.025,9.575 164.325,9.575 164.325,124.79 163.475,124.79 161.79,124.79 135.7,124.79 135.7,123.775 135.7,111.35 132.925,111.35 130.725,109.15 118.575,109.15

## Keep-outs
Keep-Out Layer:
  circle w0.254: c10,10 r2.5
  circle w0.254: c10,118 r2.5
  circle w0.254: c125,10 r2.5
  circle w0.254: c125,118 r2.5
  lines w0.254: 0,0 166.225,0 166.225,128 0,128 0,0

## Silkscreen, mask and mechanical layers (free items; w line width, h text height)
Top Overlay:
  circle w0.254: c10,10 r4.5
  circle w0.254: c10,118 r4.5
  circle w0.254: c125,10 r4.5
  circle w0.254: c125,118 r4.5
  text "显示板" at 134.55,10.74 h5
  text "ver2.0.0轩23/2/7" at 149.9,3.19 h2

## Text inside footprints (layer, text, board x,y; h text height)
J7: Top Overlay "2" at 160.63,21.081 h1 r180; Top Overlay "1" at 160.503,24.002 h1 r180; Top Overlay "33" at 107.798,23.621 h1 r180; Top Overlay "34" at 108.179,20.954 h1 r180
JP7: Top Overlay "5V" at 127.689,46.294 h0.6; Top Overlay "GND" at 127.115,43.694 h0.6; Top Overlay "GND" at 156.014,46.144 h0.6; Top Overlay "GND" at 155.909,43.494 h0.6; Top Overlay "IO21" at 156.014,53.994 h0.6; Top Overlay "BOOT" at 155.996,64.094 h0.6; Top Overlay "IO35" at 156.04,66.644 h0.6; Top Overlay "IO20" at 155.996,51.344 h0.6; Top Overlay "IO45" at 156.04,61.644 h0.6; Top Overlay "IO48" at 156.014,59.044 h0.6; Top Overlay "IO37" at 156.04,71.794 h0.6; Top Overlay "IO36" at 156.061,69.244 h0.6; Top Overlay "IO19" at 155.939,48.694 h0.6; Top Overlay "IO47" at 155.996,56.494 h0.6; Top Overlay "IO40" at 155.857,79.394 h0.6; Top Overlay "IO1" at 155.807,89.565 h0.6; Top Overlay "IO44" at 155.807,92.032 h0.6; Top Overlay "IO39" at 155.939,76.744 h0.6; Top Overlay "IO2" at 155.786,87.033 h0.6; Top Overlay "IO42" at 155.742,84.426 h0.6; Top Overlay "GND" at 156.382,97.189 h0.6; Top Overlay "IO43" at 155.939,94.594 h0.6; Top Overlay "IO38" at 155.939,74.144 h0.6; Top Overlay "IO41" at 155.807,81.844 h0.6; Top Overlay "IO12" at 126.814,53.897 h0.6; Top Overlay "IO46" at 126.607,64.065 h0.6; Top Overlay "IO3" at 127.182,66.594 h0.6; Top Overlay "IO13" at 126.861,51.344 h0.6; Top Overlay "IO9" at 127.163,61.544 h0.6; Top Overlay "IO10" at 126.789,58.994 h0.6; Top Overlay "IO18" at 126.84,71.694 h0.6; Top Overlay "IO8" at 127.239,69.094 h0.6; Top Overlay "IO14" at 126.861,48.744 h0.6; Top Overlay "IO11" at 126.989,56.544 h0.6; Top Overlay "IO15" at 126.796,79.294 h0.6; Top Overlay "IO4" at 127.269,89.444 h0.6; Top Overlay "RST" at 127.268,91.894 h0.6; Top Overlay "IO16" at 126.789,76.744 h0.6; Top Overlay "IO5" at 127.269,86.944 h0.6; Top Overlay "IO6" at 127.182,84.294 h0.6; Top Overlay "3V3" at 127.382,97.089 h0.6; Top Overlay "3V3" at 127.382,94.544 h0.6; Top Overlay "IO17" at 126.84,74.094 h0.6; Top Overlay "IO7" at 127.269,81.794 h0.6